# KiCad board PROC099A_PCB.kicad_pcb (continued)
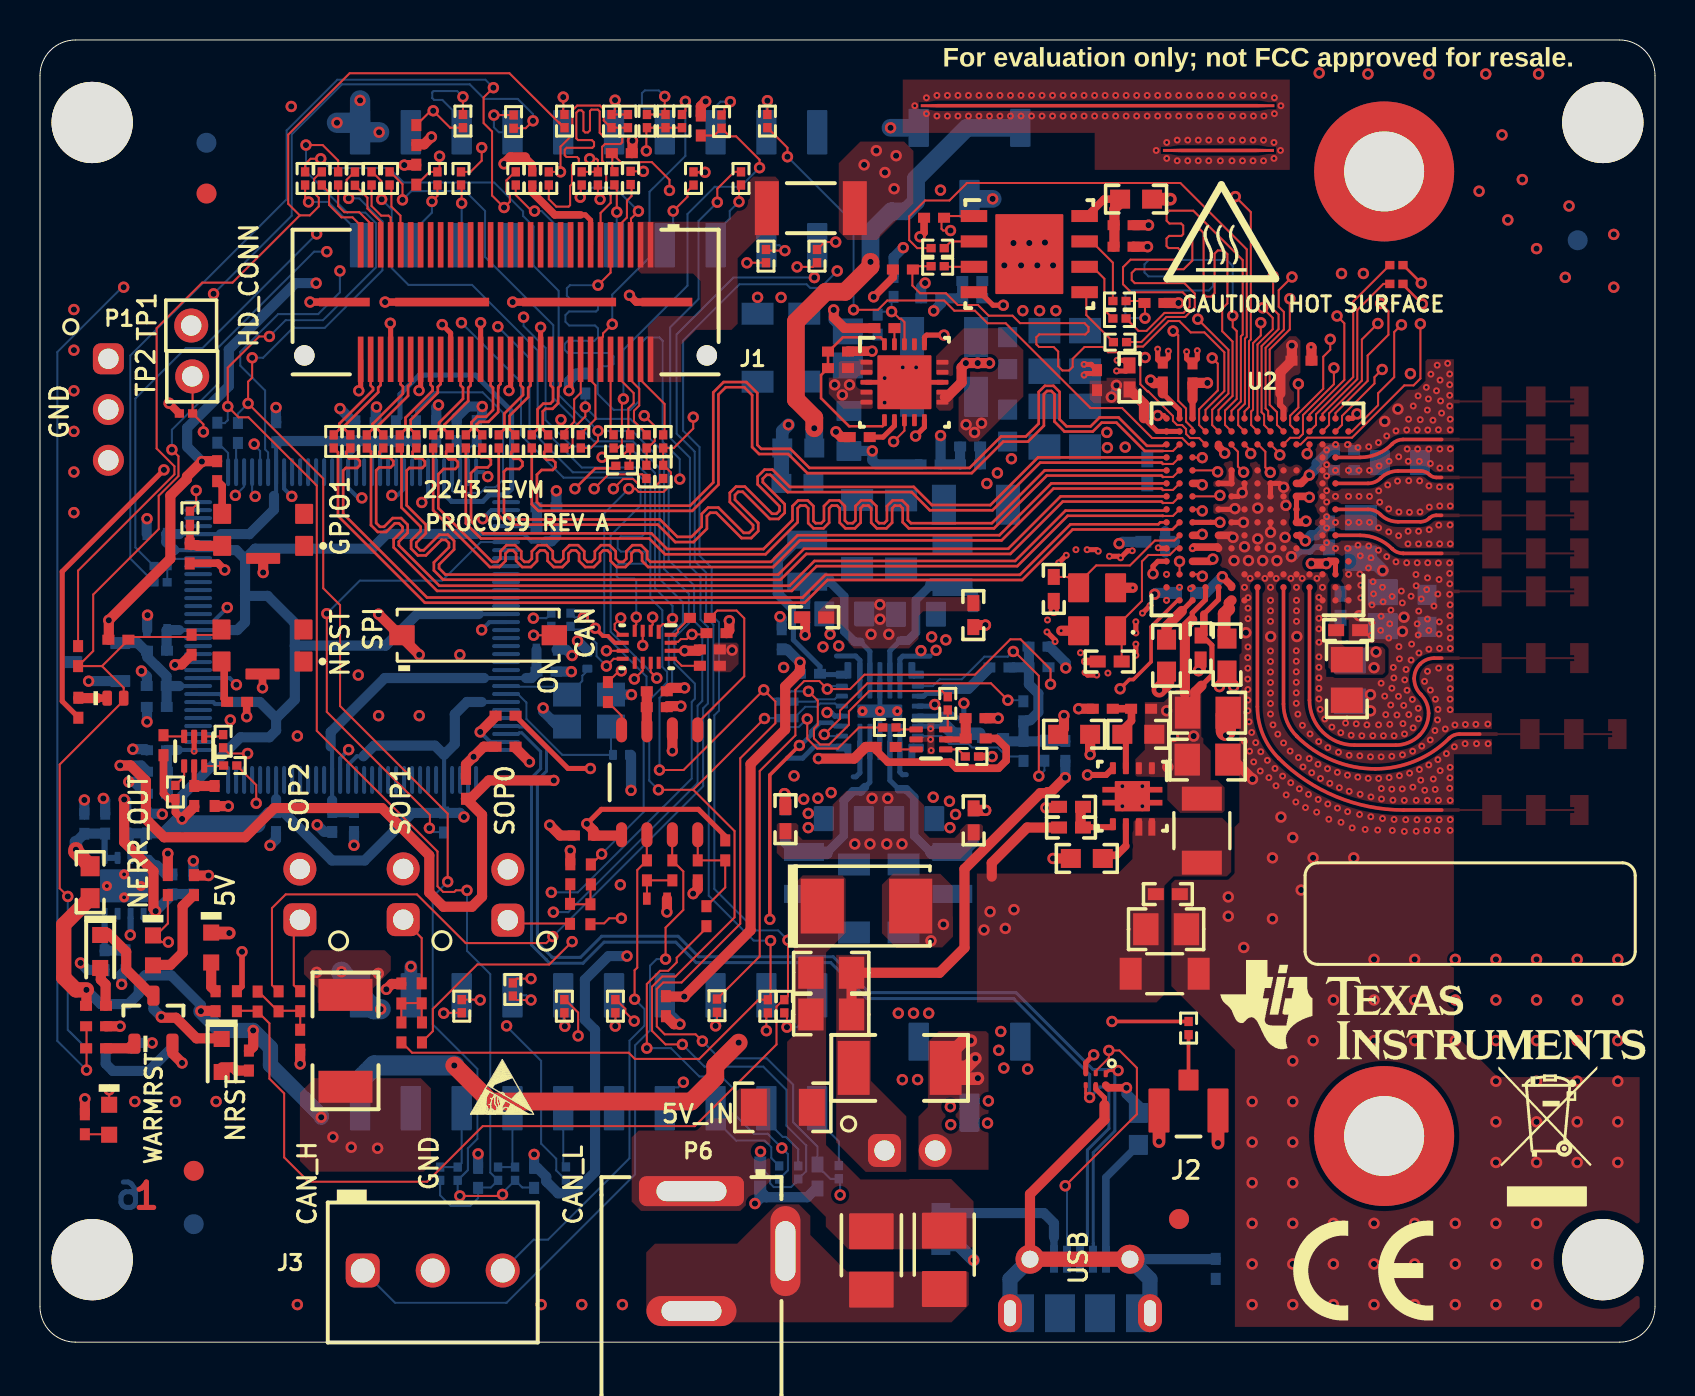
[diagram p0: board, top side]
## Routing (per net, layer and track width the routed paths; a pad name or vN(x,y) marks a point on that pad's centre or on a via; arc(x,y) is an arc through that point) (continued)
NetR128_2: length 1.7
  BOTTOM w0.102: 8.87,45.02 9.41,44.48 U6.33
NetR129_2: length 1.5
  BOTTOM w0.102: 9.9,45.01 9.81,44.92 U6.34
NetR143_1: length 4.2
  BOTTOM w0.254: 45.28,32.69 45.05,32.46 44.34,32.46 44.2,32.32 U8.16
  BOTTOM w0.508: 45.28,32.69 46.43,32.69 47.5,33.76
NetR144_2: length 2.8
  BOTTOM w0.102: U8.5 39.9,31.82 39.77,31.95 39.02,31.95 38.86,31.79 38.27,31.79 R144.2
NetR146_1: length 2.5
  BOTTOM w0.102: R146.1 38.76,32.05 38.88,32.16 39.74,32.16 39.9,32.32 U8.6
NetR147_1: length 3.5
  BOTTOM w0.254: U8.19 45.3,30.82
  BOTTOM w0.508: 46.97,30.44 47.19,30.23
  BOTTOM w0.635: 45.3,30.82 45.68,30.44 46.97,30.44
NetR152_1: length 2.6
  TOP w0.508: v1(22.02,30.53) 22.81,31.32 22.81,31.34
  BOTTOM w0.203: U6.95 22.52,30.03 v1(22.02,30.53)
NetR179_1: length 1.1
  TOP w0.102: 42.77,29.78 42.9,29.66 43.82,29.66
NetR180_2: length 1
  TOP w0.102: R180.2 42.91,30.66 U11.1
NetR181_1: length 1.1
  TOP w0.102: R181.1 45.93,29.66 45.3,29.66
NetR182_1: length 1
  TOP w0.102: R182.1 45.4,30.76 U11.6
NetR184_1: length 1.1
  TOP w0.102: 6.18,30.35 6.22,30.31 U12.3
NetR185_2: length 1
  TOP w0.102: U12.1 9.07,30.31 R185.2
NetR186_1: length 1
  TOP w0.102: U12.6 9.16,28.83 R186.1
NetR188_2: length 1.2
  TOP w0.102: R188.2 7.21,28.3 U12.4
NetR194_2: length 1.6
  BOTTOM w0.102: 19.82,45.1 19.81,45.09 U6.59
NetR195_1: length 1.6
  TOP w0.102: U13.13 31.74,34.19 32.09,33.84 R195.1
NetR197_2: length 10
  TOP w0.102: 63.49,45.57 63.82,45.89 63.82,46.42 65.68,48.29 65.68,52.06 67.51,53.89 R197.2
NetR198_2: length 8.3
  TOP w0.102: 64.14,46.22 64.14,46.44 65.88,48.18 65.88,51.64 67.19,52.95 R198.2
PGOOD: length 116.6
  TOP w0.381: R27.1 24.62,58.91 24.25,59.28
  TOP w0.508: v1(23.21,58.95) 23.54,59.28 24.25,59.28 ; 31.31,17.29 v1(32.22,17.29) 35.54,20.61 35.54,28.92 37.27,30.65 37.27,32.81 38.01,33.55 v1(38.01,34.01)
  L3 w0.508: v1(32.22,17.29) 31.51,18 25.92,18 25.02,18.89 20.36,18.89 19.8,19.45 11.19,19.45 10.28,18.54 5.41,18.54 4.97,18.97 v1(2.03,18.97) ; v1(45.04,57.64) 45.04,59.47 42.62,61.89 38.35,61.89 37.69,61.23 29.62,61.23 28.45,60.05 26.05,60.05 24.95,58.95 v1(23.21,58.95)
  L4 w0.508: v1(45.04,57.64) 43.83,57.64 40.75,54.57 40.75,53.33 40.03,52.6 39.35,52.6 38.79,52.05 38.79,47.48 39.56,46.71 40.21,46.71 40.74,46.18 40.74,42.79 35.92,37.97 35.92,33.94 36.81,33.04 37.69,33.04 38.01,33.36 v1(38.01,34.01)
  BOTTOM w0.508: 3.23,18.63 2.37,18.63 v1(2.03,18.97) ; R141.2 v1(38.01,34.01) 37.36,34.67 R138.2
PMIC_1V0: length 3.3
  BOTTOM w0.254: 37.38,29.22 38.14,29.22 38.74,29.81 40.04,29.81 U8.1 ; 40.11,29.73 40.43,29.73
  vias: v1(39.74,47.9) v1(40.13,47.39) v1(40.49,47.9)
PMIC_1V8: length 4.8
  TOP w0.508: 47.6,23.29 47.6,23.98 49.37,25.75 R84.2
  vias: v1(47.21,20.62) v1(47.52,21.54) v1(48.28,20.7) v1(48.71,21.64)
PMIC_CLK: length 42.3
  TOP w0.18: v1(36.5,21.16) 36.5,28.38 v1(37.98,29.85)
  TOP w0.279: 9.85,17.54 10.1,17.79 v1(10.1,19.53)
  L3 w0.229: v1(10.1,19.53) 10.5,19.93 19.98,19.93 20.17,19.74 25.1,19.74 26.21,18.63 29.76,18.63 32.29,21.16 v1(36.5,21.16)
  BOTTOM w0.229: v1(37.98,29.85) 38.04,29.85 38.58,30.39 38.58,30.56 39.01,30.99 39.59,30.99 39.76,30.82 U8.3
PMIC_EN1: length 34.3
  TOP w0.102: R102.2 35.99,19.3 35.99,28.57 37.78,30.36 37.78,32.63 38.22,33.08 38.98,33.08 v1(39.38,32.68) 40.52,32.68 41.24,33.4 46.76,33.4 48.53,35.17 49.04,35.17 50.54,33.67 v1(50.54,32.92)
  BOTTOM w0.102: U8.7 39.52,32.82 v1(39.38,32.68) ; v1(50.54,32.92) 50.54,33.65 50.42,33.77
PMIC_EN2: length 13.2
  TOP w0.102: v1(48.68,34.56) 48.74,34.56 49.96,33.34 v1(49.96,28.32)
  BOTTOM w0.102: v1(49.96,28.32) 50.23,28.6 50.23,29.11 ; v1(48.68,34.56) 48.68,34.57 48.4,34.3 47.23,34.3 46.1,33.17 45,33.17 44.65,32.82 U8.15
PMIC_EN3: length 12.6
  TOP w0.102: v1(39.22,30.4) 40.01,31.19 40.01,31.6 41.38,32.96 47.56,32.96 v1(48.41,32.12)
  BOTTOM w0.102: 49.18,32.04 49.1,32.12 v1(48.41,32.12) ; v1(39.22,30.4) 39.31,30.32 U8.2
PMIC_NRST: length 5.8
  BOTTOM w0.102: 49.19,29.1 48.99,29.3 48.36,29.3 47.9,29.76 46.62,29.76 46.44,29.93 45.47,29.93 45.08,30.32 U8.20
PMICOUT_3V3: length 9.9
  BOTTOM w0.254: U8.8 39.05,33.4 R141.1 39.01,33.81 37.68,35.14 37.68,36.67 37.57,36.78 ; 40.11,33.39 40.41,33.39
  BOTTOM w0.508: L2.2 37.91,40.15 36.9,39.14 36.9,37.45 37.57,36.78
PMICVIO_3V3: length 9.6
  BOTTOM w0.508: 49.46,33.77 49.46,32.92 49.93,32.45 49.93,31.52 49.52,31.12 49.4,31.12 49.36,31.08 49.18,31.08 49.19,31.08 49.19,30.06 ; 49.46,33.77 49.46,34.8 ; 49.46,33.77 48.53,33.76 ; 48.15,30.23 48.31,30.06 49.19,30.06 ; 51.28,30.06 51.27,30.07 50.23,30.07 50.23,30.06 49.19,30.06
RX1: length 5.6
  TOP w0.18: U2.M2 66.02,44.27 arc(66.89,44.44) 67.63,44.94 arc(67.88,45.11) 68.17,45.16 70.1,45.16
RX2: length 5.6
  TOP w0.18: U2.K2 66.42,42.97 arc(66.76,43.03) 67.04,43.22 67.04,43.22 arc(67.44,43.49) 67.92,43.59 69.05,43.59 arc(69.29,43.54) 69.49,43.4 arc(69.65,43.3) 69.83,43.26 70.1,43.26
RX3: length 5.6
  TOP w0.18: U2.H2 66.42,41.67 arc(66.76,41.6) 67.04,41.41 67.04,41.41 arc(67.44,41.14) 67.92,41.05 69.05,41.05 arc(69.29,41.09) 69.49,41.23 arc(69.65,41.33) 69.83,41.37 70.1,41.37
RX4: length 5.6
  TOP w0.18: U2.F2 66.02,40.37 arc(66.89,40.19) 67.63,39.69 arc(67.88,39.52) 68.18,39.46 70.11,39.46
SPICLK1: length 4.9
  TOP w0.102: U13.8 28.69,34.19 v1(28.33,33.83)
  BOTTOM w0.102: R75.1 R76.1 26.69,35.66 27.13,35.66 27.84,34.96 27.84,34.32 v1(28.33,33.83)
SS_CTRL: length 12.8
  TOP w0.102: v1(42.69,45.06) 43.23,45.6 U5.8 ; U5.18 43.23,51.04 43.07,51.2 42.99,51.2 42.63,51.56 v1(42.59,51.56)
  L4 w0.102: v1(42.59,51.56) 40.85,49.82 40.85,49.02 41.26,48.61 41.26,48.12 41.28,48.12 41.28,46.47 v1(42.69,45.06)
  BOTTOM w0.102: R120.1 42.04,51.56 v1(42.59,51.56) 42.59,52.15 42.71,52.27 R119.2
SW0: length 8.2
  BOTTOM w0.254: 41.03,35.04 41.51,34.56 U8.10
  BOTTOM w0.432: 41.03,35.04 40.75,35.04 40.22,35.57 40.22,37.31 39.44,38.1
  BOTTOM w0.508: R190.2 38.27,37.95 L2.1
  BOTTOM w0.635: 38.37,38.1 39.44,38.1
SW1: length 8.7
  BOTTOM w0.254: 43.02,35.1 42.51,34.59 U8.12
  BOTTOM w0.432: 43.02,35.1 43.4,35.1 43.81,35.51 43.81,37.13 44.59,37.91
  BOTTOM w0.508: 46.67,36.86 46.67,37.36 46.12,37.91 45.64,37.91
  BOTTOM w0.635: 44.59,37.91 45.64,37.91
SW2: length 9.6
  BOTTOM w0.254: 41.26,27.77 41.51,28.02 U8.25
  BOTTOM w0.432: 41.26,27.77 41.05,27.56 40.66,27.56 40.2,27.1 40.2,25.34 39.34,24.48
  BOTTOM w0.508: 38.21,24.48 37.79,24.48 37.28,24.99 37.28,25.68
  BOTTOM w0.635: 38.21,24.48 39.34,24.48
SW3: length 9.6
  BOTTOM w0.254: U8.23 42.51,28.11 42.96,27.66
  BOTTOM w0.432: 44.59,24.51 44.54,24.51 43.72,25.33 43.72,27.26 43.32,27.66 42.96,27.66
  BOTTOM w0.508: 45.63,24.48 46.17,24.48 46.69,25 46.69,25.63
  BOTTOM w0.635: 45.63,24.48 44.62,24.48 44.59,24.51
TX1: length 17.7
  TOP w0.18: U2.B4 63.49,32.12 arc(64.15,30.53) 65.74,29.87 67.8,29.87 arc(68.45,30) 68.99,30.36 arc(69.33,30.87) 69.45,31.46 arc(69.35,31.98) 69.06,32.41 arc(68.81,32.77) 68.73,33.2 arc(68.81,33.6) 69.03,33.93 arc(69.35,34.15) 69.73,34.22 70.11,34.22
TX2: length 17.7
  TOP w0.18: 72.01,30.42 70.99,30.42 arc(70.71,30.37) 70.48,30.21 arc(68.78,29.08) 66.78,28.68 arc(64.66,29.1) 62.86,30.31 arc(62.37,31.05) 62.19,31.92 U2.B6
TX3: length 17.7
  TOP w0.18: U2.B8 60.89,37.76 60.89,31.79 arc(61.16,30.39) 61.95,29.21 61.95,29.21 arc(64.82,27.3) 68.2,26.62 70.11,26.62
XDSET_1_D_N: length 55.6
  TOP w0.152: U10.1 53.46,13.59 v1(53.92,13.59)
  BOTTOM w0.152: 52.68,4.15 52.68,4.94 52.68,9.49 53.76,10.57 53.76,12.66 53.76,13.44 53.93,13.61 53.91,13.64 52.66,13.64 48.82,17.49 41.47,17.49 39.67,19.28 32.94,19.28 31.92,20.31 28.09,20.31 27.03,19.25 25.61,19.25 25.61,19.26 24.88,20 24.88,28.11 25.33,28.57 25.33,29.67 24.22,30.78 23.97,30.78 23.92,30.83 23.32,30.83
XDSET_1_D_P: length 55.6
  TOP w0.152: U10.4 52.3,12.44 v1(52.5,12.24)
  BOTTOM w0.152: J8.3 52.01,4.69 52.38,5.06 52.38,9.61 53.46,10.69 53.46,12.53 53.23,12.76 53.02,12.76 v1(52.5,12.24) 52.5,13.39 48.7,17.19 41.35,17.19 39.55,18.99 32.82,18.99 31.8,20.01 28.21,20.01 27.16,18.96 25.49,18.96 25.32,19.13 25.32,19.14 24.58,19.87 24.58,28.23 25.04,28.69 25.04,29.55 24.1,30.49 23.97,30.49 23.91,30.43 U6.94
XDSET_1_ID: length 53.7
  TOP w0.102: U10.2 52.8,13.56 53.46,14.22 v1(53.46,14.6) 53.99,14.6 54.86,13.72 54.86,11.41 v1(51.28,7.82)
  TOP w0.254: v1(27.53,28.7) 26.41,28.7 23.77,31.34
  L3 w0.254: v1(27.53,28.7) 31.27,24.96 34.25,24.96 35.43,23.78 49.1,23.78 51.63,21.26 51.63,17.1 53.46,15.27 v1(53.46,14.6)
  BOTTOM w0.102: v1(51.28,7.82) 51.36,7.74 J8.4
XDSET_1_VBUS: length 77.1
  TOP w0.381: U10.6 53.43,12.73 v1(54.34,12.73)
  TOP w0.508: v1(4.01,28.85) 4.53,28.85 5.3,28.09 5.3,26.17 6.21,25.26 10.26,25.26 11.72,26.72 17.1,26.72 19.47,24.35 19.47,22.49 20.18,21.78 21.6,21.78 22.11,22.29 22.11,26.38 R154.2 21.53,27.19 22.45,28.11 v1(25.7,28.11)
  L3 w0.381: v1(25.7,28.11) 26.84,28.11 31.06,23.89 33.9,23.89 35.19,22.59 48.79,22.59 50.64,20.73 50.64,17.16 51.79,16.01 51.79,13.86 52.93,12.73 v1(54.34,12.73)
  BOTTOM w0.508: 5.37,28.54 5.06,28.85 v1(4.01,28.85) ; v1(54.34,12.73) 54.34,12.42 54.93,11.83 R161.2
XDSET_LOGGER: length 2.5
  BOTTOM w0.102: R136.2 R135.2 6.73,39.19 7.87,39.19 U6.25
XDSET_NRST: length 24.2
  TOP w0.102: v1(19.48,25.72) 19.5,25.72 19.5,26.38 14.34,31.53 v1(14.34,36.45)
  BOTTOM w0.102: U6.70 23.31,40.03 22.04,40.03 20.11,38.1 16,38.1 v1(14.34,36.45) ; v1(19.48,25.72) 19.5,25.72 19.7,25.52 20.21,25.52
XDSET_OSC0: length 4.9
  BOTTOM w0.102: 27.37,33.6 27.12,33.34 27.12,33.08 26.43,32.4 Y2.1 25.96,32.79 23.35,32.79 U6.88
XDSET_OSC1: length 8.4
  BOTTOM w0.102: Y2.3 28.56,29.38 26.12,29.38 24.33,31.18 24.33,32 23.9,32.43 U6.89
XDSET_TCK: length 23.6
  TOP w0.102: v1(27.72,42.7) 28.44,43.42 30.12,43.42 R70.2
  L3 w0.127: v1(27.72,42.7) 26.28,44.14 11.54,44.14 v1(9.77,42.37)
  BOTTOM w0.102: v1(9.77,42.37) 10.21,42.8 U6.35
XDSET_TDI: length 29.7
  TOP w0.102: v1(28.01,57.18) 28.01,57.2 27.9,57.31 R30.2
  L3 w0.127: v1(28.01,57.18) 27.42,56.59 26.13,56.59 25.43,57.29 22.81,57.29 19.98,54.46 15.87,54.46 v1(15,53.6)
  BOTTOM w0.102: U6.38 11.41,44.52 11.26,44.67 11.26,47.61 10.02,48.86 10.02,49.54 11.91,51.43 13.91,51.43 15,52.52 v1(15,53.6)
XDSET_TDO: length 23.5
  TOP w0.102: R71.2 30.73,42.77 30.08,42.77 29.67,43.18 29.16,43.18 v1(28.68,42.7)
  L3 w0.127: v1(10.71,44.93) 26.07,44.93 27.72,43.28 28.09,43.28 v1(28.68,42.7)
  BOTTOM w0.102: U6.37 11.01,44.58 10.71,44.88 v1(10.71,44.93)
XDSET_TMS: length 21.5
  TOP w0.127: v1(26.75,42.7) 27.77,43.72 28.67,43.72 R69.2
  L3 w0.127: v1(26.75,42.7) 26.75,42.34 26.17,41.76 22.74,41.76 21.07,43.43 11.87,43.43 v1(10.76,42.32)
  BOTTOM w0.102: v1(10.76,42.32) 10.61,42.47 U6.36
XDSET_VBAT: length 2.6
  BOTTOM w0.203: U6.68 24.74,40.83 24.85,40.72
  BOTTOM w0.508: 24.84,41.77 24.85,41.75 24.85,40.72
XDSET_VREFA: length 6.4
  BOTTOM w0.203: 6.97,32.83 U6.9
  BOTTOM w0.508: 6.33,31.78 6.33,31.78 6.33,32.83 ; 3.97,34.98 4.89,34.98 5.27,34.6 5.37,34.6 5.37,34.27 6.33,33.31 6.33,32.83 ; 6.33,32.83 6.34,32.83 6.97,32.83

## Copper pours and planes (outline as drawn; the poured copper is in the pictures)
5V_IN on TOP: 39.82,9.99 39.82,19.38 41.56,19.38 41.56,13.07 43.33,11.3 43.33,8.53 43.31,8.52 41.29,8.52
5V_IN on TOP: 13,12.47 13.74,13.21 19.04,13.21 19.55,12.7 19.55,8.89 19.2,8.53 13.53,8.53 13,9.07
5V_IN on TOP: 43.68,59.6 43.21,60.07 41.03,60.07 39.95,58.98 39.95,55.57 40.38,55.14 41.86,55.14 43.68,56.97
5V_IN on L4: outline of 334 points within 12.99,8.31 43.2,60.17
5V_UNREG on TOP: 44.41,15.02 44.95,15.56 47.31,15.56 47.44,15.43 47.44,8.62 43.94,8.62 43.94,11.29 44.41,11.76
5V_UNREG on BOTTOM: 43.15,34.08 43.32,34.25 44,34.25 44,34.2 45.28,34.2 46.06,34.99 46.06,37.48 44.55,37.48 44.23,37.16 44.23,35.33 43.58,34.68 43.07,34.68 42.87,34.49 42.87,32.91 42.87,32.19 43.15,32.19
5V_UNREG on BOTTOM: 41.15,28.89 41.17,28.89 41.17,28.18 41.1,28.16 41.06,28.14 41.03,28.12 41,28.1 40.87,27.98 40.49,27.98 40.27,27.76 40.25,27.76 39.86,27.37 39.86,27.35 39.78,27.27 39.78,25.51 39.72,25.46 37.92,25.46 37.92,27.85 38.52,28.45 38.53,28.45 38.79,28.71 40.79,28.71 40.86,28.79 40.86,30.92 40.88,30.94 41.13,30.94 41.15,30.93
5V_UNREG on BOTTOM: 40.86,32.19 40.86,34.2 40.81,34.2 40.81,34.25 40.01,34.25 40.01,34.2 38.73,34.2 38.73,37.47 39.47,37.47 39.8,37.14 39.8,35.39 40.58,34.62 40.98,34.62 41.13,34.47 41.13,32.19
5V_UNREG on BOTTOM: 46.07,27.84 46.07,25.49 46.04,25.46 44.19,25.46 44.14,25.5 44.14,27.43 43.5,28.08 43.01,28.08 42.84,28.24 42.84,28.89 42.86,28.89 42.86,30.94 42.87,30.95 43.15,30.95 43.15,28.87 43.3,28.71 45.19,28.71
5V_UNREG on L4: outline of 198 points within 35.75,8 48.21,36.92
GND on TOP: 75.3,47.81 74.33,47.81 74.33,47.11 73.1,47.11 73.1,47.81 72.13,47.81 72.13,47.11 71,47.11 71,47.15 70,47.15 70,46.97 71,46.97 71,47.01 72.13,47.01 72.13,46.31 73.1,46.31 73.1,47.01 74.33,47.01 74.33,46.31 75.3,46.31 75.3,47.01 76.73,47.01 76.73,46.91 76.53,46.91 76.53,46.31 77.45,46.31 77.45,47.81 76.53,47.81 76.53,47.21 76.73,47.21 76.73,47.11 75.3,47.11
GND on TOP: 44.38,29.41 44.38,30.03 43.81,30.03 43.81,30.28 44.38,30.28 44.38,30.98 44.73,30.98 44.73,30.54 44.73,29.41
GND on TOP: 75.3,38.31 74.33,38.31 74.33,37.61 73.1,37.61 73.1,38.31 72.13,38.31 72.13,37.61 71,37.61 71,37.65 70,37.65 70,37.47 71,37.47 71,37.51 72.13,37.51 72.13,36.81 73.1,36.81 73.1,37.51 74.33,37.51 74.33,36.81 75.3,36.81 75.3,37.51 76.73,37.51 76.73,37.41 76.53,37.41 76.53,36.81 77.45,36.81 77.45,38.31 76.53,38.31 76.53,37.71 76.73,37.71 76.73,37.61 75.3,37.61
GND on TOP: 62.5,63.17 62.5,58.65 52.75,58.65 52.75,60.5 43.15,60.5 43.15,63.17
GND on TOP: 38.53,6.32 38.53,5.36 40.35,3.53 46.4,3.53 46.45,3.48 46.45,1.85 45.59,0.99 30.96,0.99 30.32,1.63 30.32,4.5 30.75,4.93 34.87,4.93 36.84,6.9 37.95,6.9
GND on TOP: outline of 571 points within 56.58,0.76 80,49.18
GND on TOP: 40.33,27.57 43.5,27.57 44.22,26.86 44.22,25.51 44.49,25.23 45.74,25.23 46.02,25.51 46.02,25.62 46.32,25.92 47.06,25.92 47.16,25.82 47.16,25.31 46.02,24.17 37.15,24.17 36.85,24.47 36.85,25.9 36.93,25.97 37.81,25.97 37.93,25.86 37.93,25.35 38.14,25.13 39.57,25.13 39.64,25.21 39.64,26.89 39.87,27.11 39.9,27.14 39.95,27.19
GND on TOP: 40.71,34.71 40.43,34.99 40.43,35.55 40.05,35.93 38.91,35.93 38.91,36.53 39.65,37.28 46.86,37.28 47.05,37.09 47.05,36.65 46.96,36.56 44.16,36.56 43.94,36.33 43.94,35.19 43.45,34.71
GND on TOP: 33.66,34.88 33.66,33.56 33.69,33.52 34.53,33.52 34.94,33.93 34.94,34.9 34.77,35.06 33.84,35.06
GND on TOP: 63.46,6.52 71.05,6.52 71.05,14.19 63.46,14.19
GND on TOP: 45.12,19.75 45.66,20.29 45.66,21.3 45.65,21.31 45.65,22.81 45.03,23.43 42.66,23.43 42.11,22.88 42.11,20.46 42.82,19.75
GND on BOTTOM: 44.12,38.33 44.1,38.28 44.08,38.24 44.07,38.19 43.39,37.5 43.39,35.76 43.2,35.76 42.96,35.52 42.91,35.51 42.87,35.5 42.84,35.48 42.81,35.47 42.78,35.45 42.75,35.42 42.72,35.4 42.7,35.37 42.68,35.34 42.66,35.31 42.64,35.28 42.62,35.24 42.61,35.21 42.6,35.16 42.2,34.75 42.2,34.75 42.17,34.73 42.17,34.25 42.15,34.25 42.15,32.19 41.86,32.19 41.86,34.25 41.84,34.25 41.84,34.7 41.79,34.74 41.79,34.75 41.44,35.1 41.43,35.15 41.42,35.19 41.41,35.22 41.39,35.25 41.37,35.29 41.34,35.31 41.32,35.34 41.29,35.36 41.26,35.39 41.23,35.41 41.2,35.42 41.17,35.44 41.09,35.45 40.85,35.69 40.69,35.69 40.64,35.74 40.64,37.49 39.95,38.18 39.94,38.24 39.92,38.28 39.91,38.32 39.89,38.36 39.85,38.42 39.85,39.27 44.12,39.27
GND on BOTTOM: 65.63,38.51 65.07,39.07 65.07,39.17 64.62,39.62 63.6,39.62 63.6,39.7 63.86,39.97 64.01,39.97 64.12,40.08 65,40.08 65.02,40.11 65.14,40.11 65.35,39.9 68.35,39.9 68.35,38.51
GND on BOTTOM: 61.8,0.79 61.8,0.79 61.51,0.79 61.51,19.84 80,19.84 80,7.58 76.68,7.58 75.53,6.44 75.53,0.79
GND on BOTTOM: outline of 282 points within 47.72,0.83 80.01,64.22
GND on BOTTOM: outline of 206 points within 42.59,7.8 53.18,18.83
GND on BOTTOM: 47.94,49.76 47.91,49.78 47.91,51.06 47.8,51.17 47.8,52.66 48.2,53.06 53,53.06 53.41,52.65 53.41,50.12 53.05,49.76
GND on BOTTOM: 42.26,27.76 43.06,26.96 43.3,26.96 43.3,25.16 44.05,24.41 44.05,23.35 39.82,23.35 39.82,24.28 39.84,24.33 39.85,24.4 40.62,25.17 40.62,26.92 40.63,26.93 40.91,26.93 41.11,27.14 41.22,27.14 41.55,27.47 41.58,27.5 41.6,27.53 41.62,27.56 41.64,27.59 41.65,27.63 41.67,27.7 41.87,27.9 41.87,30.94 42.13,30.94 42.13,27.88
GND on BOTTOM: 34.98,49.88 41.17,49.88 41.24,49.95 41.24,51.4 40.44,52.2 39.51,52.2 39.15,52.56 35.03,52.56 34.66,52.19 34.66,50.19
GND on L2: 64.19,13.45 64.19,7.18 70.42,7.18 70.42,13.45
GND on L2: outline of 383 points within 0.76,0.76 80.01,64.39
GND on L3: outline of 384 points within 0.76,0.76 80.01,64.39
GND on L4: outline of 384 points within 0.76,0.76 80.01,64.39
GND on L5: outline of 384 points within 0.76,0.76 80.01,64.39
AR_1P3_RF1 on TOP: 49.18,47.31 49.18,49.63 48.08,50.73 46.2,50.73 44.74,49.27 44.74,48.43 44.88,48.29 45.53,48.29 45.94,47.88 45.94,45.59 46.48,45.06 46.93,45.06
AR_1P3_RF1 on BOTTOM: outline of 87 points within 46.02,40.82 70.85,49.52
AR_1P3_RF2 on TOP: 44.72,46.87 44.72,47.65 44.87,47.79 45.55,47.79 45.68,47.67 45.68,46.75 45.53,46.6 44.98,46.6
AR_1P3_RF2 on BOTTOM: 49.36,47.83 49.03,47.5 47.33,47.5 46,48.83 46,51.09 46.81,51.9 46.81,53.38 47.42,53.38 47.42,51.02 47.54,50.89 47.54,49.64 47.8,49.39 53.22,49.39 55.95,52.12 59.03,52.12 59.56,52.64 59.56,53.46 60.64,54.54 63.18,54.54 63.9,53.81 72.21,53.81 73.79,52.23 73.79,39.61 71.04,36.87 64.3,36.87 62.98,38.19 62.98,38.85 63.37,39.24 64.46,39.24 64.69,39.01 64.69,38.91 65.47,38.13 67.22,38.13 68.36,38.13 71.52,41.28 71.52,48.56 70.2,49.88 62.93,49.88 62.25,49.2 61.42,48.37 57.68,48.37 56.13,48.36 55.17,48.36 55,48.2 53.4,48.2 53.04,47.83
AR_1V2 on TOP: 54.53,46.96 52.71,46.96 52.49,47.18 52.49,48.06 52.69,48.25 54.77,48.25 54.9,48.13 54.9,47.33
AR_1V2 on TOP: 62.17,50.33 62.81,50.33 63.04,50.1 63.04,47.4 62.43,46.79 62.43,46.01 62.34,45.93 62.08,45.93 61.99,46.02 61.99,46.41 61.5,46.9 61.5,49.67
AR_1V2 on BOTTOM: 46.97,41.4 47.5,40.87 49.07,40.87 49.24,41.04 49.24,42.97 48.39,43.81 47.58,43.81 47.12,43.33 46.97,43.19
AR_1V2 on L4: 46.9,40.78 45.87,41.81 45.87,43.41 46.42,43.97 47.07,43.97 51.96,48.85 57.5,48.85 59,50.34 62.7,50.34 63.11,49.93 63.11,46.99 62.01,45.89 61.35,45.89 61.11,45.64 60.29,45.64 59.76,45.11 59.76,44.35 59.46,44.04 59,44.04 58.79,44.25 58.79,44.5 58.44,44.86 57.83,44.86 57.52,44.55 57.52,41.25 57.88,40.89 58.29,40.89 58.59,40.59 58.59,40.23 58.34,39.98 56.36,39.98 55.56,40.78
AR_1V8 on TOP: 56.38,28.11 56.38,27.13 57.03,26.48 59.12,26.48 59.25,26.61 59.25,27.75 58.74,28.27 58.74,29.41 58.18,29.96 58.19,30.2 58.08,30.3 58.08,32.44 57.87,32.65 56.83,32.65 56.2,32.03 55.26,32.03 55.26,29.64 54.78,29.17 54.78,28.37 54.88,28.27 56.22,28.27
AR_1V8 on BOTTOM: outline of 331 points within 52.9,28.41 59.05,43.61
AR_1V8 on BOTTOM: 64.18,40.46 64.18,41.35 64.46,41.63 66.79,41.63 66.8,41.62 66.8,40.54 64.92,40.54 64.84,40.46
AR_1V8 on L4: outline of 359 points within 51.95,25.67 67.68,44.5
AR_VOUT_PA on TOP: 65.06,37.95 65.09,37.91 65.09,34.95 65.25,34.8 67.13,34.8 67.28,34.65 67.28,33.53 67.15,33.4 64.79,33.4 64.43,33.76 64.43,35.96 64.56,36.09 64.56,36.91 64.56,37.88 64.62,37.95
AR_VOUT_PA on BOTTOM: 68.88,36.25 70,36.25 70,34.24 69.16,33.4 64.61,33.4 64.51,33.5 64.51,34.62 64.66,34.77 68.37,34.77 68.88,35.28
MCU_5V on TOP: 13.89,17.73 13.2,18.42 13.2,19.23 13.58,19.61 17.24,19.61 17.55,19.3 17.55,18.59 16.66,17.7 16.66,16.99 16.63,16.97 13.91,16.97 13.89,16.99
MCU_5V on BOTTOM: 47.9,12.95 47.47,13.39 47.47,16.21 47.8,16.54 48.96,16.54 50.64,14.86 50.64,13.18 50.41,12.95
MCU_5V on BOTTOM: 13.94,15.91 13.15,16.7 13.15,19.16 13.28,19.29 17.11,19.29 17.27,19.14 17.27,18.38 16.83,17.95 16.83,17.44 17.44,16.83 17.44,15.99 17.37,15.91
MCU_5V on L3: 19.04,19.19 24.84,13.39 37.02,13.39 39.08,15.45 45.37,15.45 46.09,16.17 48.33,16.17 50.01,14.49 50.01,10.26 47.55,7.8 40.82,7.8 38.31,10.31 19.04,10.31 12.9,16.46 12.9,19 13.09,19.19
NetC26_1 on TOP: 41.04,8.14 39.31,9.86 39.31,19.49 40.29,20.47 40.29,23.18 40.12,23.36 38.14,23.36 37.71,22.92 37.71,16.02 37.82,15.91 37.83,15.87 37.84,15.82 37.84,15.78 37.84,15.74 37.84,15.7 37.83,15.65 37.82,15.61 37.8,15.56 37.8,15.47 37.36,15.03 37.36,10.25 37.61,10 37.61,7.96 39.3,6.27 39.3,5.78 40.44,4.64 46.47,4.64 46.69,4.86 46.69,7.04 45.57,8.16 43.49,8.16 43.47,8.14
NetF1_2 on TOP: 30.05,6.57 29.59,7.03 29.59,10.24 30.55,11.2 34.33,11.2 34.81,11.68 34.81,12.52 34.99,12.7 36.53,12.7 36.53,9.98 36.33,9.93 36.29,9.95 36.26,9.97 36.22,9.99 36.18,10 36.14,10.02 36.09,10.02 36.05,10.03 36.01,10.03 35.97,10.02 35.93,10.01 35.88,10 35.84,9.99 35.81,9.97 35.77,9.95 35.73,9.92 35.7,9.89 35.67,9.86 35.65,9.83 35.62,9.8 35.6,9.76 35.58,9.72 35.57,9.68 35.56,9.64 35.55,9.6 35.55,9.55 35.55,9.51 35.55,9.47 35.56,9.43 35.57,9.39 35.59,9.35 35.61,9.31 35.63,9.27 35.65,9.24 35.68,9.2 35.71,9.17 35.74,9.15 35.78,9.12 35.82,9.1 35.85,9.08 35.89,9.07 35.94,9.06 35.98,9.05 36.02,9.05 36.06,9.05 36.11,9.05 36.15,9.06 36.19,9.07 36.23,9.09 36.27,9.11 36.3,9.13 36.34,9.15 36.53,9.1 36.53,8.07 35.03,6.57
NetJ1_1 on TOP: 30.41,48.03 30.41,50.53 30.4,50.53 30.4,50.8 30.93,51.33 32.73,51.33 33.04,51.64 33.04,53.09 32.66,53.47 30.07,53.47 29.91,53.63 29.91,56.06 34.33,56.06 35.5,57.23 35.5,58.14 35.68,58.32 36.77,58.32 36.95,58.14 36.95,55.4 36.93,55.37 36.04,55.37 34.89,54.23 34.89,50.95 34.59,50.65 32.81,50.65 32.07,49.91 32.07,48.03
PMIC_1V0 on TOP: 39.45,47.45 40.2,46.7 41.6,46.7 41.79,46.89 41.79,49.04 41.6,49.23 40.17,49.23 39.45,48.5
PMIC_1V0 on BOTTOM: 42.64,50.76 42.88,51 42.88,51.37 43.04,51.53 44.06,51.53 45.58,50.02 45.58,44.78 44.28,43.49 42.1,43.49 39.91,45.95 37.36,45.95 36.7,45.29 36.71,30.5 37.05,30.5 37.69,29.86 37.69,29.03 37.18,28.52 37.18,23.85 38.88,23.85 41.65,21.08 41.65,20.06 41.52,19.92 36.14,19.92 33.67,22.39 33.67,36.5 33.05,37.12 33.05,47.75 34.14,48.84 38.95,48.84 39.69,49.59 41.26,49.59 41.59,49.92 41.59,50.71 41.65,50.76
PMIC_1V2 on BOTTOM: 45.88,41.13 45.88,42.81 45.77,42.92 42.47,42.92 42.07,42.51 42.07,40.79 43.88,38.97 46.73,38.97 47.06,38.63 47.06,35.92 45.31,34.17 43.47,34.17 43.38,34.07 43.38,33.1 43.45,33.02 44.16,33.02 44.31,33.17 45.98,33.17 47.35,34.55 48.44,34.55 49.77,35.88 49.77,38.92 48.21,40.48 46.53,40.48
PMIC_1V8 on TOP: 59.12,26.24 59.58,25.78 59.58,23.53 59.35,23.3 56.7,23.3 56.24,22.85 56.24,17.4 55.84,17 46.86,17 46.86,23.44 53.91,23.44 54.64,24.17 54.64,25.99 54.89,26.24
PMIC_1V8 on BOTTOM: 45.81,23.1 47.12,24.41 47.12,26.67 44.95,28.85 43.57,28.85 43.23,29.18 43.23,29.99 43.52,30.27 45.13,30.27 45.47,29.93 47.88,29.93 49.72,28.09 49.72,20.53 48.39,19.2 42.23,19.2 42.23,22.37 42.96,23.09
PMICOUT_3V3 on BOTTOM: 41.23,43.47 41.73,42.98 41.73,41.12 40.3,39.7 37.36,39.7 37.36,41.45 38.08,42.17 38.08,43.47
RX1 on TOP: 75.3,45.91 74.33,45.91 74.33,45.21 73.1,45.21 73.1,45.91 72.13,45.91 72.13,45.21 71,45.21 71,45.25 70,45.25 70,45.07 71,45.07 71,45.11 72.13,45.11 72.13,44.41 73.1,44.41 73.1,45.11 74.33,45.11 74.33,44.41 75.3,44.41 75.3,45.11 76.73,45.11 76.73,45.01 76.53,45.01 76.53,44.41 77.45,44.41 77.45,45.91 76.53,45.91 76.53,45.31 76.73,45.31 76.73,45.21 75.3,45.21
RX2 on TOP: 75.3,44.01 74.33,44.01 74.33,43.31 73.1,43.31 73.1,44.01 72.13,44.01 72.13,43.31 71,43.31 71,43.35 70,43.35 70,43.17 71,43.17 71,43.21 72.13,43.21 72.13,42.51 73.1,42.51 73.1,43.21 74.33,43.21 74.33,42.51 75.3,42.51 75.3,43.21 76.73,43.21 76.73,43.11 76.53,43.11 76.53,42.51 77.45,42.51 77.45,44.01 76.53,44.01 76.53,43.41 76.73,43.41 76.73,43.31 75.3,43.31
RX3 on TOP: 75.3,42.11 74.33,42.11 74.33,41.41 73.1,41.41 73.1,42.11 72.13,42.11 72.13,41.41 71,41.41 71,41.45 70,41.45 70,41.27 71,41.27 71,41.31 72.13,41.31 72.13,40.61 73.1,40.61 73.1,41.31 74.33,41.31 74.33,40.61 75.3,40.61 75.3,41.31 76.73,41.31 76.73,41.21 76.53,41.21 76.53,40.61 77.45,40.61 77.45,42.11 76.53,42.11 76.53,41.51 76.73,41.51 76.73,41.41 75.3,41.41
RX4 on TOP: 75.3,40.21 74.33,40.21 74.33,39.51 73.1,39.51 73.1,40.21 72.13,40.21 72.13,39.51 71,39.51 71,39.55 70,39.55 70,39.37 71,39.37 71,39.41 72.13,39.41 72.13,38.71 73.1,38.71 73.1,39.41 74.33,39.41 74.33,38.71 75.3,38.71 75.3,39.41 76.73,39.41 76.73,39.31 76.53,39.31 76.53,38.71 77.45,38.71 77.45,40.21 76.53,40.21 76.53,39.61 76.73,39.61 76.73,39.51 75.3,39.51
TX1 on TOP: 75.3,34.97 74.33,34.97 74.33,34.27 73.1,34.27 73.1,34.97 72.13,34.97 72.13,34.27 71,34.27 71,34.31 70,34.31 70,34.13 71,34.13 71,34.17 72.13,34.17 72.13,33.47 73.1,33.47 73.1,34.17 74.33,34.17 74.33,33.47 75.3,33.47 75.3,34.17 76.73,34.17 76.73,34.07 76.53,34.07 76.53,33.47 77.45,33.47 77.45,34.97 76.53,34.97 76.53,34.37 76.73,34.37 76.73,34.27 75.3,34.27
TX2 on TOP: 77.2,31.17 76.23,31.17 76.23,30.47 75,30.47 75,31.17 74.03,31.17 74.03,30.47 72.9,30.47 72.9,30.51 71.9,30.51 71.9,30.33 72.9,30.33 72.9,30.37 74.03,30.37 74.03,29.67 75,29.67 75,30.37 76.23,30.37 76.23,29.67 77.2,29.67 77.2,30.37 78.63,30.37 78.63,30.27 78.43,30.27 78.43,29.67 79.35,29.67 79.35,31.17 78.43,31.17 78.43,30.57 78.63,30.57 78.63,30.47 77.2,30.47
TX3 on TOP: 75.3,27.37 74.33,27.37 74.33,26.67 73.1,26.67 73.1,27.37 72.13,27.37 72.13,26.67 71,26.67 71,26.71 70,26.71 70,26.53 71,26.53 71,26.57 72.13,26.57 72.13,25.87 73.1,25.87 73.1,26.57 74.33,26.57 74.33,25.87 75.3,25.87 75.3,26.57 76.73,26.57 76.73,26.47 76.53,26.47 76.53,25.87 77.45,25.87 77.45,27.37 76.53,27.37 76.53,26.77 76.73,26.77 76.73,26.67 75.3,26.67

Small or netless copper shapes (teardrops, artwork), in the pictures only: 2715 on TOP

## Text on the board
BOTTOM: 6 | ${LAYER}
M13 Component Bodies Top: ${LAYER}
Bottom Solder: ${LAYER}
Bottom Paste: ${LAYER}
Bottom Overlay: 3V3 | GND | ${LAYER}
User.Drawings: 15 | 621 | 2 | 1 | 8 | 5 | 3 | 4 | 667 Total | 508 | 508 Total | 7.87mil (0.200mm) | 12.20mil (0.310mm) | 23.62mil (0.600mm) | 33.47mil (0.850mm) | 39.37mil (1.000mm) | 40.00mil (1.016mm) | 40.16mil (1.020mm) | 47.24mil (1.200mm) | 157.48mil (4.000mm) | 160.00mil (4.064mm) | 5.90mil (0.150mm) | = Routed Path Length + Tool Size = Slot length as defined in the PCB layout | = Calculated from tool start centre position to tool end centre position. | PTH | NPTH | Round | Slot | - | 51.18mil (1.300mm) | 118.11mil (3.000mm) | 137.79mil (3.500mm) | 27.56mil (0.700mm) | 78.74mil (2.000mm) | 98.43mil (2.500mm) | TOP - L2 | TOP - BOTTOM | +0.00mil/-5.90mil | +0.00mil/-7.87mil | +0.00mil/-12.20mil | +/-3.00mil | +/-2.00mil | Slot definitions : | Routed Path Length | Hole Length | B | C | D | E | H | J | K | L | A | I | ${LAYER} | FAB | DRILL CHART : | Symbol | Count | Hole Size | Plated | Hole Type | Drill Layer Pair | Tolerance | Hole Tolerance
TOP: 1 | ${LAYER}
M12 Stackup: Layer | 1 | 2 | 3 | 4 | 5 | 6 | 7 | 8 | 9 | 10 | 11 | 12 | 13 | 14 | 15 | 16 | 17 | Name | Top Overlay | Top Solder | TOP | Dielectric 1 | L2 | Dielectric2 | Dielectric 3 | L3 | Dielectric4 | L4 | Dielectric5 | Dielectric 6 | L5 | Dielectric7 | BOTTOM | Bottom Solder | Bottom Overlay | Material | Solder Resist | Copper | RO4835 LOPRO | FR4 370HR | Thickness | 0.80mil | 1.60mil | 4.00mil | 1.20mil | 2.85mil | 28.00mil | 2.92mil | Constant | 3.5 | 3.66 | 3.9 | 4.36 | 4.26 | Board Layer Stack | ${LAYER} | L1-L6 | L1-L2 | LAYER STACKUP : | IMPEDANCE TABLE : | LAYER NO | 1 (TOP) | CONDUCTOR WIDTH | 7.08mil | 5.2mil | N/A | 5mil | 6.73mil | IMPEDANCE +/-10% | 50ohm | 100ohm | REFERENCE GND | GND | NOTE : | EXTERNAL LAYER CU THICKNESSES ARE FINISHED THICKNESS AFTER PLATING. | THIS IS AN IMPEDANCE CONTROLLED BOARD. | DIFF. / PAIR / SPACING | CPWG / SPACING
Top Solder: ${LAYER}
Top Paste: ${LAYER}
Top Overlay: 2243-EVM | PROC099 REV A | WARMRST | GND | NERR_OUT | 5V | NRST | HD_CONN | SOP2 | CAN_H | GPIO1 | SPI | SOP1 | SOP0 | CAN_L | CAN | USB | ON | 5V_IN | ${LAYER}
L2: 2 | ${LAYER}
L3: 3 | ${LAYER}
L4: 4 | ${LAYER}
L5: 5 | ${LAYER}
M1 Board Outline: ${LAYER}
M2 Board Dimensions: ${LAYER}
M3 3D STEP Top: ${LAYER}
M4 3D STEP Bottom: ${LAYER}
M5 Assembly Top: PLOT NAME = | ${PLOT_FILE_NAME} | BOARD #: | TID #: | GENERATED    : | ${CURRENT_DATE} | REV: | ${PRINT_TIME} | SVN REV: | TEXAS INSTRUMENTS | PCB VIEWED FROM TOP SIDE | ${PRJ_NUMBER} | ${TID} | ${PCB_REV} | ${VERSIONCONTROL_REVNUMBER} | ASSEMBLY VARIANT: | COMPONENTS MARKED 'DNP' SHOULD NOT BE POPULATED. | ${VARIANTNAME}
M6 Assembly Bottom: TEXAS INSTRUMENTS | ${VERSIONCONTROL_REVNUMBER} | SVN REV: | ${PCB_REV} | ${PRINT_TIME} | REV: | ${CURRENT_DATE} | ${PRJ_NUMBER} | ${TID} | GENERATED    : | BOARD #: | TID #: | ${PLOT_FILE_NAME} | PCB VIEWED FROM BOTTOM SIDE | PLOT NAME = | ${VARIANTNAME} | ASSEMBLY VARIANT: | COMPONENTS MARKED 'DNP' SHOULD NOT BE POPULATED.
M9 Title Sheet: PROJECT TITLE: | DESIGNED FOR: | FILE NAME: | ENGINEER: | LAYOUT BY: | ALTIUM DESIGNER VERSION: | or any information contained therein. TI and/or its licensors do not warrant that this design will meet | the specifications, will be suitable for your application or fit for any particular purpose, or will operate in | an implementation. TI and/or its licensors do not warrant that the design is production worthy. You should | Texas Instruments (TI) and/or its licensors do not warrant the accuracy or completeness of this specification | completely validate and test your design implementation to confirm the system functionality for your application. | ${LAYER} | A | B | C | D | 1 | 2 | 3 | 4 | 5 | ${PRJ_TITLE} | ${PRJ_CUSTOMER} | ${PCB_FILE_NAME_NO_PATH} | ${PRJ_ENGINEER} | ${PRINT_SCALE} | ${PCB_LAYOUT} | ${APPLICATION_BUILDNUMBER} | 6 | WO # : 307314-7312-D
M10 Fab Notes: 57.14 MIL +/-10% | OUTER XX MIL TRACES REQUIRE 50 OHM SINGLE-ENDED IMPEDANCE | MATERIAL: | DRILLING: | BOARD FINISH: | SURFACE FINISH: | ARRAY/PANEL: | CERTIFICATION: | ADDITIONAL REQUIREMENTS: | ALL BOARDS MUST MEET OR EXCEED UL94-V0 REQUIREMENTS. | PCB MUST BEAR THE UL94V-0 UL REGISTERED MATERIAL ID NUMBER | PTH COPPER THICKNESS: | MINIMUM ANNULAR RING | REGISTRATION TOLERANCES: | HOLE SIZE TOLERANCE (UNLESS OTHERWISE SPECIFIED): | THICKNESS: | TOLERANCE: | BOW & TWIST: | REFERENCE: | MICROSECTION: | BARE BOARD ELEC. TEST: | SILKSCREEN: | SILKSCREEN COLOR: | SOLDER RESIST COLOR: | XX MIL VIAS REQUIRE CONDUCTIVE FILL AND PLANARIZE | PER | IMM. TIN/SILVER OR EQUIV | X | MIN. TRACK WIDTH: | MIN. CLEARANCE: | MIN. VIA PAD SIZE: | FR-408 | ANSI IPC-A-600F CLASS -> | IPC-D-275 CLASS 2 LEVEL C | MATERIALS AND WORKMANSHIP FOR ALL PCBS | TO MEET OR EXCEED THE REQUIREMENTS OF: | 62 MIL (1.6mm) +/-10% | AS SHOWN | YES | FR-4 High Tg | DESIGN INFORMATION | IMMERSION GOLD (ENIG) | N.C. ROUTE | CUT AND TRIM PER M1 BOARD OUTLINE | 0.05mm (2MIL) | OTHER +/- | ANSI IPC-6012 TYPE 3 CLASS 2 | TOP | WHITE | METAL | RoHS | 20-30 um | GREEN | MATTE | 13.77 | NONE | 3.9 | +/- | MIL | BOTTOM | OTHER | NC_DRILL FILES | EXTERNAL | REQUIRED | 2 | V. SCORE | 1 | SEMI-GLOSS | MIL, HOLES | REFER NOTE 7 | REFER STACKUP | REFER NOTE 8 | PER ORDER | ENEPIG | 3 | ${LAYER} | 2. ALL VIAS ON PAD INCLUDING BGA AREA SHOULD BE FILLED WITH NON CONDUCTIVE EPOXY AND SURFACE SHOULD BE FLAT | NOTES : UNLESS OTHERWISE SPECIFIED. | 10. THE FOUR GND NET ANTENNAS NEAR Y1 ARE INTENTIONAL | 3. MANUFACTURER'S IDENTIFICATION, DATECODE LETTER SHALL BE SILKSCREENED ON SOLDER SIDE OF THE BOARD. | 4. TRACE WIDTH SHOULD BE ACCURATELY ETCHED. MAX TOLERANCE +/- 1 MIL | 5. FOR IMPEDANCE DETAILS REFER STACKUP & IMPEDANCE TABLE. | 6. SOLDER MASK OPENING IS KEPT SAME SIZE AS PAD (1:1) FOR ALL COMPONENTS EXCEPT U2 | 7. SURFACE FINISH: IMMERSION SILVER | 8. SOLDERMASK ON BOTH SIDES OF THE BOARD SHALL BE LPI, COLOR RED. | 9. FOR ANTENNA ETCHING TOLERANCE REFER "ANTENNA ETCHING REQUIREMETS" DOCUMENT. | 1. ALL VIAS ARE TENTED ON BOTH SIDES UNLESS SOLDERMASK OPENED IN GERBER. | THE MANUFACTURER IS REQUESTED TO SIZE IT AS PER THEIR SOLDERMASK TOLERANCE. | THERE ARE MANY VIAS ON THE PCB WHICH ARE EITHER ON THE PADS OR CLOSE TO PADS | THESE NEED TO BE FILLED WITH A NON-CONDUCTIVE EPOXY TO ENSURE FLAT SURFACE. | BGA AREA VIAS SHOULD BE CAPPED WITH COPPER PLATING TO ENSURE FLAT SURFACE | FLATNESS TOLERANCE FOR VIA ON PADS: +0.000 /- 0.001 INCHES ON BOTH SIDES. | FOR U2 (BGA) PLEASE FOLLOW SAME SOLDERMASK SIZE AS GERBER | LAYER 2 & 3 (INNER LAYERS) XX MIL WIDE, XX MIL SPACE / TRACES REQUIRE 100 OHM DIFFERENTIAL IMPEDANCE | XX MIL VIAS REQUIRE NON-CONDUCTIVE FILL AND PLANARIZE
M11 Gerber Information: LAYER NAME = | BOARD #: | TID #: | GENERATED    : | ${CURRENT_DATE} | REV: | ${PRINT_TIME} | SVN REV: | TEXAS INSTRUMENTS | ALL ARTWORK VIEWED FROM TOP SIDE | ${PRJ_NUMBER} | ${TID} | ${PCB_REV} | ${VERSIONCONTROL_REVNUMBER}
M14 Component Bodies Bottom: ${LAYER}
M15 Courtyards Top: ${LAYER}
M16 Courtyards Bottom: ${LAYER}
